# Altium PCB u-cont.PcbDoc (continued)
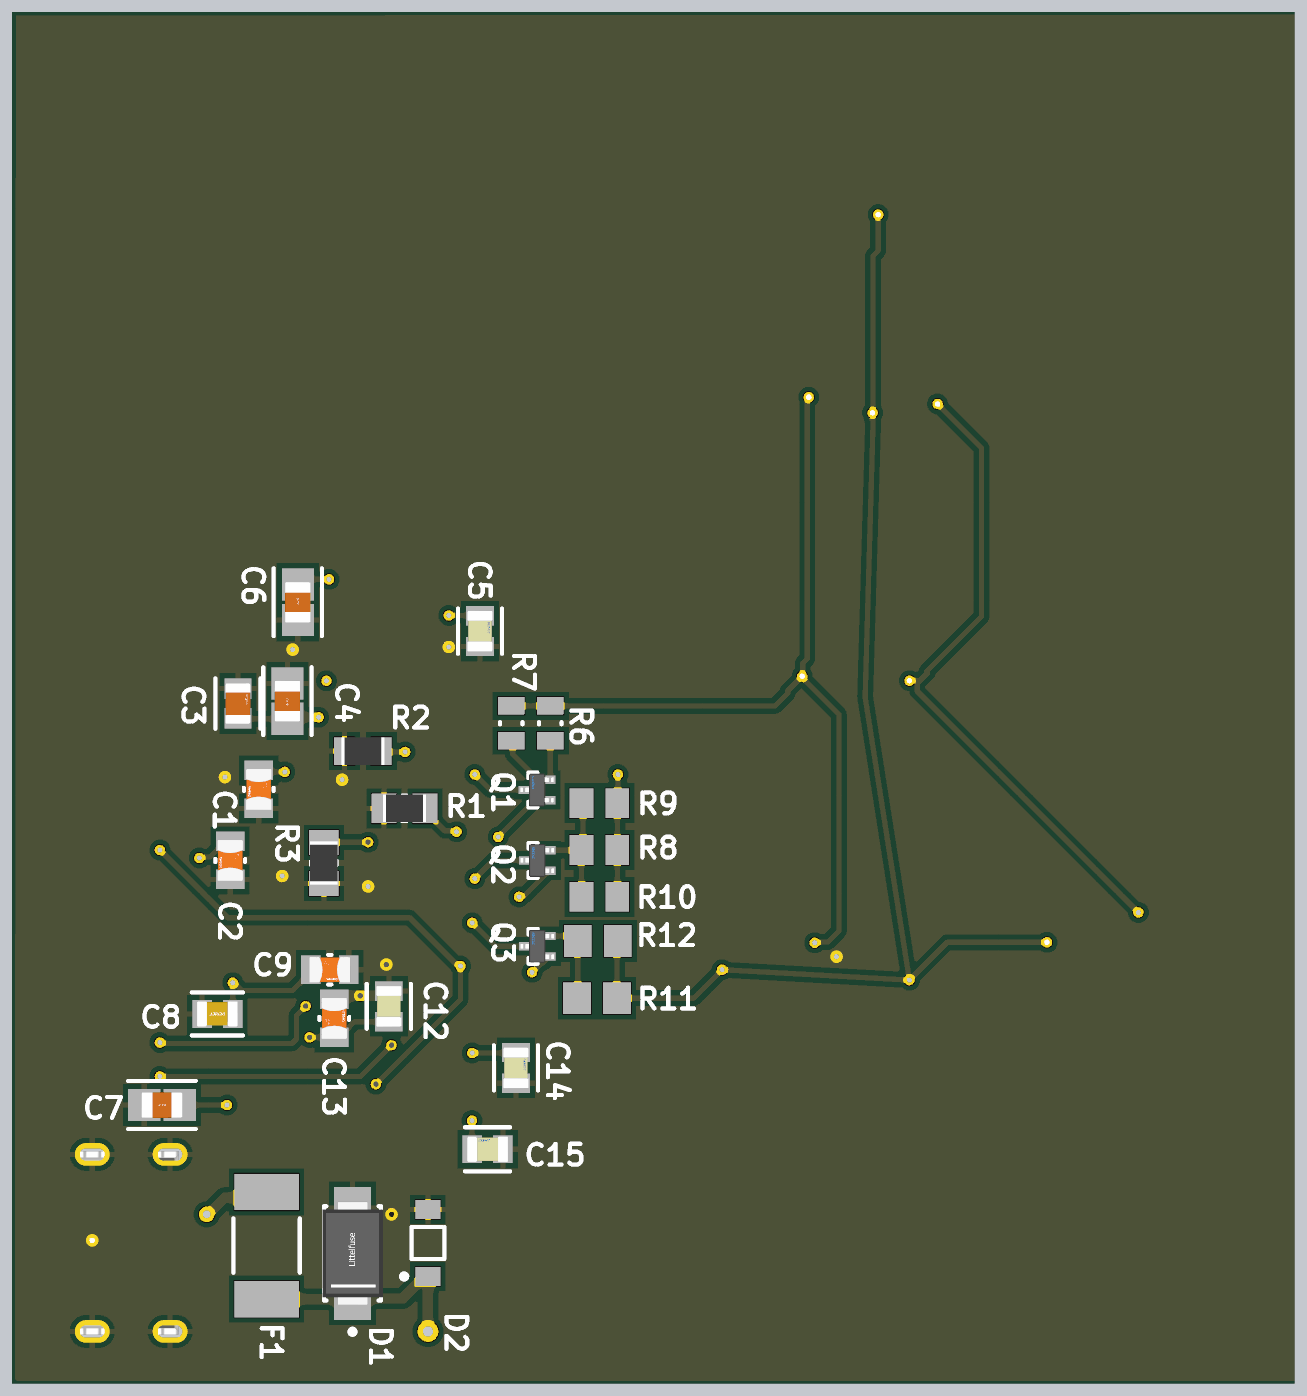
[diagram p5: 3D render of the assembled board from below, using the file's embedded part models]

## Layer stack, top to bottom
Top Solder: solder mask 1, SM-001, Dk 4
Top Layer: signal copper 1.378
Dielectric 1: prepreg 5.1, PP-017, Dk 4.3
Dielectric 2: prepreg 5.1, PP-017, Dk 4.3
Int1 (GND): plane copper 1.378, net GND
Dielectric 3: core 28, Core-039, Dk 4.8
Int2 (PWR): plane copper 1.378, net 5V USB
Dielectric 4: prepreg 5.1, PP-017, Dk 4.3
Dielectric 5: prepreg 5.1, PP-017, Dk 4.3
Bottom Layer: signal copper 1.378
Bottom Solder: solder mask 1, SM-001, Dk 4

## Board outline
4520,1025 4520,3650 6975,3650 6975,1025

## Design rules (kind name [scope] priority, off if disabled: settings)
Clearance [All] p1: gap=10 ignorepadtopadclearanceinfootprint=FALSE except(0: Arc-Hole Track-Hole SMDPad-Hole THPad-Hole Via-Hole Fill-Hole Poly-Hole Region-Hole Text-Hole; 3.5: Arc-Arc Arc-Track Track-Track; 5: SMDPad-SMDPad; 20: Via-Via)
HoleToHoleClearance [All] p1: gap=20 allowstackedmicrovias=TRUE
MinimumSolderMaskSliver [All] p1: minsoldermaskwidth=5
PlaneClearance [All] p1: clearance=20
PlaneConnect [All] p1: pad.planeconnectstyle=Relief pad.reliefexpansion=20 pad.reliefentries=4 pad.reliefconductorwidth=10 pad.reliefairgap=10 via.planeconnectstyle=Direct via.reliefexpansion=20 via.reliefentries=4 via.reliefconductorwidth=10 via.reliefairgap=10
PolygonConnect [All] p1: thpad.connectstyle=Relief thpad.reliefconductorwidth=10 thpad.reliefentries=4 thpad.polygonreliefangle="90 Angle" thpad.airgapwidth=10 smdpad.connectstyle=Relief smdpad.reliefconductorwidth=10 smdpad.reliefentries=4 smdpad.polygonreliefangle="90 Angle" smdpad.airgapwidth=10 via.connectstyle=Direct via.reliefconductorwidth=10 via.reliefentries=4 via.polygonreliefangle="90 Angle" via.airgapwidth=10
RoutingVias [All] p1: holewidth=10 width=20 viastyle="Through Hole" minholewidth=10 minwidth=20 maxholewidth=28 maxwidth=50
SilkToSolderMaskClearance [IsPad] p1: minsilkscreentomaskgap=2 clearancetoexposedcopper=FALSE
SolderMaskExpansion [All] p1: expansion=2 istentingtop=FALSE
Width [All] p1: maxlimit=30 minlimit=10 preferedwidth=10 minimp=50.000000 maximp=50.000000 favimp=50.000000
25 further rules are at their usual default settings.

## Components (designator, comment, footprint, x,y, rotation, side; value= is the part's Value field where it differs from the comment)
C1 "CC0805KRX7R8BB104" FP-CC0805-0_85-MFG 6560,2025 r270 bottom value="100 nF"
C2 "CC0805KRX7R8BB104" FP-CC0805-0_85-MFG 6505,2161.42 r270 bottom value="100 nF"
C3 "GRM21BR61E106KA73L" FP-GRM21B-0_15-IPC_C 6545,2326.41 r90 bottom
C4 "C2012X5R1E105K125AA" FP-C2012-125-0_2-IPC_A 6450,2330.98 r90 bottom
C5 "C0805C103J5RACTU" FP-C0805C-DN-MFG 6080,2465.47 r270 bottom value="10,000 pF"
C6 "C2012X5R1E105K125AA" FP-C2012-125-0_2-IPC_A 6430,2520.98 r270 bottom
C7 "C2012X5R1E105K125AA" FP-C2012-125-0_2-IPC_A 6690.98,1555 r0 bottom
C8 "C0805C476M9PACTU" FP-C0805C476M9PACTU-MFG 6584.53,1730 r0 bottom
C9 "CC0805KRX7R8BB104" FP-CC0805-0_85-MFG 6368.58,1815 r180 bottom value="100 nF"
C10 "C0805C103J5RACTU" FP-C0805C-DN-MFG 6555,1910 r90 top value="10,000 pF"
C11 "C0805C102K5RACTU" FP-C0805C-DN-MFG 6390.47,1905 r0 top value="1,000 pF"
C12 "C0805C106K8PACTU" FP-C0805C-DG-MFG 6255,1744.53 r270 bottom value=10uF
C13 "CC0805KRX7R8BB104" FP-CC0805-0_85-MFG 6360,1721.42 r90 bottom value="100 nF"
C14 "C0805C110J5GACTU" FP-C0805C-DN-MFG 6010.94,1626.42 r270 bottom value="11 pF"
C15 "C0805C110J5GACTU" FP-C0805C-DN-MFG 6065.47,1470 r180 bottom value="11 pF"
D1 "SMAJ6.0A" FP-SMAJ-MFG 6325,1270 r90 bottom
D2 "MMSZ5233BT1G" ONSC-SOD-123-2-425-04_V 6180,1290 r90 bottom
D3 "150060GS75000" FP-150060GS75000-MFG 5115,2390 r9 top
D4 "150060GS75000" FP-150060GS75000-MFG 5465.8,2378.2 r202 top
D5 "150060GS75000" FP-150060GS75000-MFG 5514.58,1838.15 r165 top
D6 "150060GS75000" FP-150060GS75000-MFG 5451.29,2920.6 r291 top
D7 "150060GS75000" FP-150060GS75000-MFG 5106.69,1833.81 r334.5 top
D8 "150060GS75000" FP-150060GS75000-MFG 5251.01,2372.31 r339 top
D9 "150060GS75000" FP-150060GS75000-MFG 5593.81,2399.38 r174 top
D10 "150060GS75000" FP-150060GS75000-MFG 5199.25,2907.72 r240 top
D11 "150060GS75000" FP-150060GS75000-MFG 4870,1880 r155 top
D12 "150060GS75000" FP-150060GS75000-MFG 5813.07,1875.8 r235 top
D13 "150060GS75000" FP-150060GS75000-MFG 5315,3261.5 r90 top
D14 "150060GS75000" FP-150060GS75000-MFG 5330,2885 r180 top
D15 "150060GS75000" FP-150060GS75000-MFG 5325,1820 r198 top
D16 "150060GS75000" FP-150060GS75000-MFG 4986.38,1867.75 r5 top
D17 "150060GS75000" FP-150060GS75000-MFG 5698.98,1819.53 r190 top
F1 "1812L075/24DR" LFUS-1812L07524DR_V 6490,1285 r270 bottom
J1 "USB4125-GF-A-0190" FP-USB4125-GF-A-0190-MFG 6793.5,1290.08 r90 top
P1 "TSM-105-01-L-SV" SMTC-TSM-105-01-X-SV 6802.48,1845 r270 top
Q1 "DMG1012TQ-7" FP-SOT523-MFG 5970.39,2160.32 r0 bottom
Q2 "DMG1012TQ-7" FP-SOT523-MFG 5970,2025 r0 bottom
Q3 "DMG1012TQ-7" FP-SOT523-MFG 5970,1860 r0 bottom
R1 "RC0805JR-070RL" RESC2013X60X35ML10T20 6225,2125 r180 bottom
R2 "RC0805FR-0710KL" RESC2013X60X35NL10T20 6305,2235 r180 bottom
R3 "RC0805JR-070RL" RESC2013X60X35ML10T20 6380,2020 r90 bottom
R4 "RC0805FR-0710KL" RESC2013X60X35NL10T20 6625,1780 r270 top value=10kR
R5 "RC0805FR-071KL" RESC2013X60X35ML10T20 6459.37,1490 r180 top
R6 "36R 1% 0805(2012)" RESC0805(2012)_L 5945,2288.46 r270 bottom value=36R
R7 "36R 1% 0805(2012)" RESC0805(2012)_L 6020,2288.46 r270 bottom value=36R
R8 "ERJ-6GEYJ910V" RESC2013X70X40NL20T20 5850.55,2045 r0 bottom
R9 "ERJ-6GEYJ910V" RESC2013X70X40NL20T20 5850.55,2135 r0 bottom
R10 "ERJ-6GEYJ910V" RESC2013X70X40NL20T20 5850.55,1955 r0 bottom
R11 "ERJ-6ENF20R0V" RESC2013X70X40ML20T20 5855.29,1760.34 r0 bottom
R12 "ERJ-6ENF20R0V" RESC2013X70X40ML20T20 5853.68,1870.34 r0 bottom
SW1 "" FP-PTS645SM43SMTR92LFS-MFG 6345,1285 r0 top
U1 "TPS2115PW" PW0008A_N 6340,2075 r0 top
U2 "REG104FA-3.3/500" KTT0005A_N 6499.65,2435 r0 top
U3 "PIC32MM0016GPL020-I/SS" SOP65P780X200-20N 6333,1702 r0 top
Y1 "ABS06-32.768KHZ-1-T" FP-ABS06-MFG 6095,1588.54 r90 top

## Footprints (in the part's own frame and the unit in brackets; to place one, negate y for a bottom-side part, rotate by r counter-clockwise, add the part's x,y. Pads: shape width x height; smd on the part's side, far side on the other; paste and mask are expansions set on the pad)
FP-150060GS75000-MFG [mm]
  rect 0.8x0.8 smd paste+0 mask+0: 1(-0.8,0) 2(0.8,0)
  body extent -1.3,-0.55 1.3,0.55, height 0.25
FP-ABS06-MFG [mm]
  rect 0.75x1.4 smd paste+0 mask+0: 1(-0.725,0) 2(0.725,0)
  silkscreen extent -1.07,-1.07 1.07,1.07, body extent -1.2,-0.8 1.2,0.8, height 0.25
FP-C0805C476M9PACTU-MFG [mm]
  rect 0.95x1.35 smd paste+0 mask+0: 1(-0.75,0) 2(0.75,0)
  silkscreen extent -1.25,-1.05 1.25,1.05, body extent -1,-0.63 1,0.63, height 1.45
FP-C0805C-DG-MFG [mm]
  rect 0.95x1.35 smd paste+0 mask+0: 1(-0.75,0) 2(0.75,0)
  silkscreen extent -1.11,-1.08 1.1,1.07, body extent -1,-0.63 1,0.63, height 1.4
FP-C0805C-DN-MFG [mm]
  rect 0.95x1.35 smd paste+0 mask+0: 1(-0.75,0) 2(0.75,0)
  silkscreen extent -1.1,-1.07 1.1,1.07, body extent -1,-0.63 1,0.63, height 0.88
FP-C2012-125-0_2-IPC_A [mil]
  rect 62.13x61.27 smd paste+0 mask+0: 1(-34.02,0) 2(34.02,0)
  silkscreen extent -65,-46 65,46, body extent -39,-25 39,25, height 57
FP-CC0805-0_85-MFG [mm]
  rect 0.95x1.4 smd paste+0 mask+0: 1(-0.925,0) 2(0.925,0)
  silkscreen extent -0.07,-0.73 0.07,0.73, body extent -1,-0.63 1,0.63, height 0.95
FP-GRM21B-0_15-IPC_C [mil]
  rect 39.6x51.5 smd paste+0 mask+0: 1(-28.59,0) 2(28.59,0)
  silkscreen extent -48,-43 48,43, body extent -39,-25 39,25, height 55
FP-PTS645SM43SMTR92LFS-MFG [mm]
  rect 1.55x1.3 smd paste+0 mask+0: 1(-3.975,2.25) 2(3.975,2.25) 3(-3.975,-2.25) 4(3.975,-2.25)
  silkscreen extent -5.52,-3 3,3, body extent -4.85,-3.1 4.85,3.1, height 0.25
FP-SMAJ-MFG [mm]
  rect 2.1x1.8 smd paste+0 mask+0: 1(-2.2,0) 2(2.2,0)
  silkscreen extent -3.95,-1.4 2.3,1.4, body extent -2.52,-1.49 2.52,1.47, height 2.29
FP-SOT523-MFG [mm]
  rect 0.51x0.4 smd paste+0 mask+0: 1(-0.645,0.5) 2(-0.645,-0.5) 3(0.645,0)
  silkscreen extent -0.01,-0.85 0.42,0.85, body extent -0.81,-0.8 0.81,0.8, height 0.9
FP-USB4125-GF-A-0190-MFG [mm]
  rrect100% 1.1x1.7 hole 1.2 slot 0.6 at 0 deg paste-1000 mask+0: 1(-4.32,3) 2(4.32,3) 3(-4.32,-0.8) 4(4.32,-0.8)
  rect 0.7x1.2 smd paste+0 mask+0: A5(-0.5,3) B5(0.5,3)
  rect 0.76x1.2 smd paste+0 mask+0: A9(1.52,3) B9(-1.52,3)
  rect 0.8x1.2 smd paste+0 mask+0: A12(2.75,3) B12(-2.75,3)
  silkscreen extent -4.59,0.42 4.59,4.37, body extent -4.97,-3.57 4.97,3.95, height 0.25
KTT0005A_N [mm] "DPAK, 5-Leads, Body 10.65x9.65mm, Pitch 1.7mm, IPC Medium Density"
  rrect10% 4.15x1 smd: 1(-6.25,3.4) 2(-6.25,1.7) 3(-6.25,0) 4(-6.25,-1.7) 5(-6.25,-3.4)
  rrect1% 8.2x10.75 smd: 6(4.2,0)
  silkscreen extent -6.37,-5.35 -0.3,5.35, body extent -3.15,-5.32 6.5,5.33, height 4.83
LFUS-1812L07524DR_V [mm] "SMD, 2-Leads, Body 4.55x3.24mm"
  rect 1.78x3.15 smd: 1(-2.615,0) 2(2.615,0)
  silkscreen extent -1.32,-1.62 1.32,1.62, body extent -2.27,-1.62 2.27,1.62, height 1.55
ONSC-SOD-123-2-425-04_V [mm] "SOD, 2-Leads, Body 2.69x1.6mm"
  rect 0.91x1.22 smd: 1(-1.635,0) 2(1.635,0)
  silkscreen extent -1.76,-0.8 0.78,1.29, body extent -1.35,-0.8 1.35,0.8, height 1.35
PW0008A_N [mm] "SOP, 8-Leads, Body 4.5x3.1mm, Pitch 0.65mm, IPC Medium Density"
  rrect22% 1.4x0.45 smd: 1(-2.95,0.975) 2(-2.95,0.325) 3(-2.95,-0.325) 4(-2.95,-0.975) 5(2.95,-0.975) 6(2.95,-0.325) 7(2.95,0.325) 8(2.95,0.975)
  silkscreen extent -3.07,-1.55 1.85,1.87, body extent -3.23,-1.5 3.23,1.5, height 1.2
RESC0805(2012)_L [mm] "Chip Resistor, Body 2.0x1.3mm, IPC High Density"
  rect 0.85x1.3 smd: 1(-0.85,0) 2(0.85,0)
  silkscreen extent -0.05,-0.55 0.05,0.55, body extent -1.1,-0.67 1.1,0.68, height 0.7
RESC2013X60X35ML10T20 [mm] "Chip Resistor, 2-Leads, Body 2.1x1.35mm, IPC Low Density"
  rect 1.2x1.45 smd: 1(-1,0) 2(1,0)
  silkscreen extent -0.1,-0.62 0.1,0.62, body extent -1.05,-0.68 1.05,0.67, height 0.6
RESC2013X60X35NL10T20 [mm] "Chip Resistor, 2-Leads, Body 2.1x1.35mm, IPC Medium Density"
  rect 1x1.35 smd: 1(-0.9,0) 2(0.9,0)
  silkscreen extent -0.1,-0.58 0.1,0.58, body extent -1.05,-0.68 1.05,0.67, height 0.6
RESC2013X70X40ML20T20 [mm] "Chip Resistor, 2-Leads, Body 2.00x1.25mm, IPC Low Density"
  rect 1.35x1.55 smd: 1(-0.975,0) 2(0.975,0)
  body extent -1.1,-0.72 1.1,0.72, height 0.7
RESC2013X70X40NL20T20 [mm] "Chip Resistor, 2-Leads, Body 2.00x1.25mm, IPC Medium Density"
  rect 1.15x1.45 smd: 1(-0.875,0) 2(0.875,0)
  body extent -1.1,-0.72 1.1,0.72, height 0.7
SMTC-TSM-105-01-X-SV [mm] "Single Row SMT Assembly, 5 Pins, Vertical, 2.54mm Pitch, Male"
  rect 1.27x3.43 smd: 1(-5.08,1.46) 2(-2.54,-1.46) 3(0,1.46) 4(2.54,-1.46) 5(5.08,1.46)
  silkscreen extent -7.11,-1.27 6.35,1.4, body extent -6.35,-2.45 6.35,2.45, height 9.65
SOP65P780X200-20N [mil]
  oval 65x17 smd mask+2: 1(-143,115)
  rect 65x17 smd mask+2: 2(-143,90) 3(-143,64) 4(-143,38) 5(-143,13) 6(-143,-13) 7(-143,-38) 8(-143,-64) 9(-143,-90) 10(-143,-115) 11(143,-115) 12(143,-90) 13(143,-64) 14(143,-38) 15(143,-13) 16(143,13) 17(143,38) 18(143,64) 19(143,90) 20(143,115)
  silkscreen extent -190,-148 110,150, body extent -154,-142 154,142, height 79

## Part data
C1 C2 C9 C13: library part CMP-1036-04410-2, "CAP CER 0.1UF 25V X7R 0805", Capacitance="100 nF", Manufacturer=Yageo, Package=CC0805-0.85, Temperature="-30°C to +85°C", Temperature Characteristic=X7R, Temperature Range High=+85°C, Temperature Range Low=-30°C, Tolerance=0.1, Voltage Rating="25 V", Automotive=No, Category=Cap, ComponentLink2Description=Datasheet, ComponentLink2URL=http://www.yageo.com/documents/recent/UPY-GPHC_Y5V_6.3V-to-50V_8.pdf, Device Class L1="Passive Components", Device Class L2=Capacitors, Device Class L3="Ceramic Capacitors", Digikey Description="CAP CER 0.1UF 25V X7R 0805", Footprint Url=http://www.yageo.com/exep/pages/download/literatures/UPY-C_GEN_24.pdf, Height=0.95mm, Ipc Land Pattern Name=CAPC200125X85, Lead Free=Yes, Manufacturer Part Number=CC0805KRX7R8BB104, Material=Ceramic, Mouser Description="Multilayer Ceramic Capacitors MLCC - SMD/SMT 100nF 25V X7R 10%", Octopart=https://octopart.com/cc0805krx7r8bb104-yageo-39467766, RoHS=TRUE
C3: library part CMP-2007-03541-2, "Chip Multilayer Ceramic Capacitors for General Purpose, 0805, 10uF, X5R, 15%, 10%, 25V", Capacitance=10uF, Case Code (Imperial)=0805, Case Code (Metric)=2012, Dielectric=X5R, Max Operating Temperature=85°C, Min Operating Temperature=-55°C, Package Quantity=1, Tolerance=10%, Voltage=25V, Case/Package=0805, Depth=1.25mm, Height=1.25mm, Lead Free="Lead Free", Length=2mm, Material=Ceramic, Mount="Surface Mount", Packaging="Tape and Reel", Radiation Hardening=No, Termination=SMD/SMT, Thickness=0.053inch, Voltage Rating=25V, Voltage Rating (DC)=25V, Width=0.049inch
C4 C6 C7: library part CMP-08246-005389-1, "Multilayer Ceramic Capacitors 1μF ±10% 25V X5R SMD 0805", Capacitance=1uF, Case Code (Imperial)=0805, Case Code (Metric)=2012, Dielectric=X5R, Dielectric Material=Ceramic, Max Operating Temperature=85°C, Min Operating Temperature=-55°C, Package Quantity=2000, Tolerance=10%, Voltage=25V, Case/Package=0805, Construction=Flat, Depth=1.25mm, Height=1.25mm, Lead Free="Lead Free", Length=2mm, Mount="Surface Mount", Number of Pins=2, Packaging="Tape and Reel", Radiation Hardening=No, REACH SVHC="No SVHC", Resistor Type=Ceramic, RoHS Compliant=Yes, Series=C, Termination=SMD/SMT, Thickness=0.057inch, Voltage Rating=25V, Voltage Rating (DC)=25V, Weight=0.000194oz, Width=0.049inch
C5 C10: library part CMP-2007-00254-2, "CAP CER 10000PF 50V X7R 0805", Capacitance="10,000 pF", Manufacturer=KEMET, Package=C0805C-DN, Temperature="-55°C to +125°C", Temperature Characteristic=X7R, Temperature Coefficient=30ppm/°C, Temperature Range High=+125°C, Temperature Range Low=-55°C, Tolerance=0.05, Voltage Rating="50 V", Automotive=No, Category=Cap, ComponentLink2Description=Datasheet, ComponentLink2URL=https://content.kemet.com/datasheets/KEM_C1003_C0G_SMD.pdf, Device Class L1="Passive Components", Device Class L2=Capacitors, Device Class L3="Ceramic Capacitors", Digikey Description="CAP CER 10000PF 50V X7R 0805", Height=0.88mm, Ipc Land Pattern Name=CAPC200125X78, Lead Free=Yes, Manufacturer Part Number=C0805C103J5RACTU, Material=Ceramic, Mouser Description="Capacitor; Ceramic; Cap 0.01uF; Tol 5%; Vol-Rtg 50 V; SMT; Case 0805; X7R; TR", Octopart=https://octopart.com/c0805c103j5ractu-kemet-133473, RoHS=TRUE
C8: library part CMP-2007-01008-2, "CAP CER 47UF 6.3V X5R 0805", Capacitance=47uF, Case Code (Imperial)=0805, Case Code (Metric)=2012, Dielectric=X5R, Dielectric Material=Ceramic, Max Operating Temperature=85°C, Min Operating Temperature=-55°C, Package Quantity=3000, Tolerance=20%, Voltage=6.3V, Case/Package=0805, Construction=Flat, Depth=1.25mm, Dissipation Factor=5%, Height=1.25mm, Length=2mm, Mount=PCB, Number of Pins=2, Packaging="Tape and Reel", Radiation Hardening=No, REACH SVHC="No SVHC", RoHS Compliant=Yes, Series=C0805C, Termination=SMD/SMT, Voltage Rating=6.3V, Voltage Rating (DC)=6.3V, Width=1.2mm
C11: library part CMP-2007-01097-2, "CAP CER 1000PF 50V X7R 0805", Capacitance="1,000 pF", Manufacturer=KEMET, Package=C0805C-DN, Temperature="-55°C to +125°C", Temperature Characteristic=X7R, Temperature Coefficient=30ppm/°C, Temperature Range High=+125°C, Temperature Range Low=-55°C, Tolerance=0.1, Voltage Rating="50 V", Automotive=No, Category=Cap, ComponentLink2Description=Datasheet, ComponentLink2URL=https://content.kemet.com/datasheets/KEM_C1003_C0G_SMD.pdf, Device Class L1="Passive Components", Device Class L2=Capacitors, Device Class L3="Ceramic Capacitors", Digikey Description="CAP CER 1000PF 50V X7R 0805", Height=0.88mm, Ipc Land Pattern Name=CAPC200125X78, Lead Free=Yes, Manufacturer Part Number=C0805C102K5RACTU, Material=Ceramic, Mouser Description="Cap Ceramic 0.001uF 50V X7R 10% SMD 0805 125C Plastic T/R", Octopart=https://octopart.com/c0805c102k5ractu-kemet-93010, RoHS=TRUE
C12: library part CMP-2007-03243-2, "CAP CER 10UF 10V X5R 0805", 3DS Part Number=220-00001, Capacitance=10uF, Manufacturer=Kemet, Package=C0805C-DG, Temperature="-55°C to +85°C", Temperature Characteristic=X5R, Temperature Coefficient=15%, Temperature Range High=+85°C, Temperature Range Low=-55°C, Tolerance=10%, Voltage=10V, Automotive=No, Category=Cap, ComponentLink2Description=Datasheet, ComponentLink2URL=https://content.kemet.com/datasheets/KEM_C1006_X5R_SMD.pdf, Device Class L1="Passive Components", Device Class L2=Capacitors, Device Class L3="Ceramic Capacitors", Digikey Description="CAP CER 10UF 10V X5R 0805", Height=1.4mm, Ipc Land Pattern Name=CAPC200125X125, Lead Free=Yes, Manufacturer Part Number=C0805C106K8PACTU, Material=Ceramic, Mouser Description="CAP CER 10UF 10V X5R 0805", Octopart=https://octopart.com/c0805c106k8pactu-kemet-98697, RoHS=TRUE, Voltage Rating=10V
C14 C15: library part CMP-1036-00907-3, "CAP CER 11PF 50V 5% NP0 0805", Capacitance="11 pF", Manufacturer=KEMET, Package=C0805C-DN, Temperature="-55°C to +125°C", Temperature Characteristic=C0G, Temperature Coefficient=30ppm/°C, Temperature Range High=+125°C, Temperature Range Low=-55°C, Tolerance=0.05, Voltage Rating="50 V", Automotive=No, Category=Cap, ComponentLink2Description=Datasheet, ComponentLink2URL=https://content.kemet.com/datasheets/KEM_C1003_C0G_SMD.pdf, Device Class L1="Passive Components", Device Class L2=Capacitors, Device Class L3="Ceramic Capacitors", Digikey Description="CAP CER 11PF 50V 5% NP0 0805", Height=0.88mm, Ipc Land Pattern Name=CAPC200125X78, Lead Free=Yes, Manufacturer Part Number=C0805C110J5GACTU, Material=Ceramic, Mouser Description="Multilayer Ceramic Capacitors MLCC - SMD/SMT 50volts 11pF C0G 5%", Octopart=https://octopart.com/c0805c110j5gactu-kemet-15514269, RoHS=TRUE
D1: library part CMP-08607-000083-1, "TVS DIODE 6V 10.3V DO214AC", Breakdown Voltage=6.67V, Clamping Voltage=10.3V, Manufacturer=Littelfuse, Max Junction Temp=+150°C, Package=SMAJ, Peak Pulse Current=38.8A, Peak Pulse Power=400W, Reverse Standoff Voltage=6V, Temperature="-65°C to +150°C", Temperature Range Low=-65°C, Automotive=No, Category=Diode, ComponentLink2Description=Datasheet, ComponentLink2URL=https://www.littelfuse.com/~/media/electronics/datasheets/tvs_diodes/littelfuse_tvs_diode_smaj_datasheet.pdf.pdf, Device Class L1="Circuit Protection", Device Class L2="TVS Diodes", Device Class L3=unset, Digikey Description="TVS DIODE 6V 10.3V DO214AC", Direction=Unidirectional, Height=2.29mm, Lead Free=Yes, Manufacturer Part Number=SMAJ6.0A, Mouser Description="TVS Diodes - Transient Voltage Suppressors 60Vr 400W 4.1A 5% UniDirectional", Number Of Channels=1, Octopart=https://octopart.com/smaj6.0a-littelfuse-350212, RoHS=TRUE, Temperature Range High=+150°C
D2: library part CMP-1060-00590-1, "Zener Voltage Regulator, 500 mW, 2-Pin SOD-123, Pb-Free, Tape and Reel", Manufacturer="On Semiconductor", ComponentLink1Description="Manufacturer URL", ComponentLink1URL=http://www.onsemi.com/, ComponentLink2Description=Datasheet, ComponentLink2URL=http://www.onsemi.com/pub_link/Collateral/MMSZ5221BT1-D.PDF, ComponentLink3Description="Package Specification", ComponentLink3URL=http://www.onsemi.com/pub_link/Collateral/425-04.PDF, DatasheetVersion="Rev. 12", Mounting Technology="Surface Mount", P Max (W)=0.5, PackageDescription="2-Pin SOD, Body 1.6 x 2.69 mm", PackageReference=SOD-123-2-425-04, PackageVersion="Rev. G, 10/2009", Packing="Tape and Reel", PartNumber=MMSZ5233BT1G, RoHS=Pb-Free, VZ Typ (V)=6.0
D3 D4 D5 D6 D7 D8 D9 D10 D11 D12 D13 D14 D15 D16 D17: library part CMP-007-00036-1, "Led, Green, 520 Nm, 3.2 V, 30 Ma, 430 Mcd Rohs Compliant: Yes"
F1: library part CMP-2000-05510-1, "Poly-Fuse(R) Resettable PTC, 24 V, 100 A, -40 to 85 degC, 2-Pin SMD, RoHS, Tape and Reel", Current Rating=100A, Hold Current=0.75A, Manufacturer=Littelfuse, Maximum Voltage=24VDC, Maximum Voltage DC=24V, Operating Temperature Range=-40Cto+85C, Package / Case=1812(4532metric), Package Description="2-Pin Surface Mount Device, Body 4.55 x 3.24 mm", Package Reference=1812L07524DR, Resistance=290mOhms, Trip Current=1.5A, Brand=Littelfuse, Current Rating (Max)=100A, Current Rating - Max=100A, Datasheet URL=http://www.littelfuse.com/~/media/electronics/datasheets/resettable_ptcs/littelfuse_ptc_1812l_datasheet.pdf.pdf, Datasheet Version=02/2016, Dimensions=4.37mmLx3.07mmWx0.75mmH, Factory Pack Quantity=1500, Manufacturer URL=http://www.littelfuse.com/, Mounting Style=SMD/SMT, Mounting Technology=SurfaceMount, Packaging=Reel, Product Category=ResettableFuses-PPTC, RoHS=Details, Series=1812L, Termination Style=SMD/SMT, Type=PolyFuseResettablePTC
J1: library part CMP-245163-000004-1, "CONN RCPT TYPE C 6P SMD RA"
P1: library part CMP-1024-00241-1, "0.025\" SQ Post Header, Surface Mount, Vertical, -55 to 125 degC, 2.54 mm Pitch, 5-Pin, Male, RoHS", Manufacturer=Samtec, Temperature Range="-55 to 125 degC", ComponentLink1Description="Manufacturer URL", ComponentLink1URL=http://www.samtec.com, ComponentLink2Description=Datasheet, ComponentLink2URL=http://www.samtec.com/documents/webfiles/pdf/TSM.PDF, ComponentLink3Description="Package Specification", ComponentLink3URL=http://www.samtec.com/documents/webfiles/cpdf/TSM-1XX-XX-XXX-SV-XX-XXX-XX-MKT.pdf, DatasheetVersion=F-214, Mounting Technology="Surface Mount", Orientation=Vertical, PackageDescription="Single Row .100 SMT Assembly", PackageReference=TSM-105-01-X-SV, PackageVersion="BP, 8/2002", PartNumber=TSM-105-01-L-SV, Pitch="2.54 mm", RoHS=True
Q1 Q2 Q3: library part CMP-12801-000068-1, "MOSFET NCH 20V 630MA SOT523", Continuous Drain Current=0.63A, Drain To Source Breakdown Voltage=20V, Drain To Source Resistance=0.3Ω, Gate To Source Voltage=6V, Input Capacitace At Vds="60.67pF @ 16V", Manufacturer="Diodes Inc.", Max Forward Diode Voltage=1.2V, Max Junction Temp=+150°C, Package=SOT523, Power Dissipation=0.28W, Pulse Drain Current=3A, Temperature="-55°C to +150°C", Temperature Range Low=-55°C, Typ Forward Diode Voltage=0.7V, Automotive=Yes, Automotive Grade="Grade 0", Category=Trans, ComponentLink2Description=Datasheet, ComponentLink2URL=https://www.diodes.com/assets/Datasheets/ds31783.pdf, Depletion Mode=False, Device Class L1="Discrete Semiconductors", Device Class L2=Transistors, Device Class L3=MOSFETs, Digikey Description="MOSFET NCH 20V 630MA SOT523", Drain To Source Voltage=20V, Footprint Url=https://www.diodes.com/assets/Package-Files/SOT523.pdf, Gate Charge At Vgs="736.6pC @ 4.5V", Height=0.9mm, Lead Free=Yes, Manufacturer Part Number=DMG1012TQ-7, Mouser Description="Trans MOSFET N-CH 20V 0.63A Automotive 3-Pin SOT-523 T/R", Number Of Channels=1, Number Of N Channels=1, Octopart=https://octopart.com/dmg1012tq-7-diodes+inc.-74468997, RoHS=TRUE, Rthja Max=452°C/W, Standoff Height=0mm, Temperature Range High=+150°C, Threshold Vgs Max=1V, Threshold Vgs Min=0.5V, Turn Off Delay Time=26.7ns, Turn On Delay Time=5.1ns
R1 R3: library part CMP-2100-03673-1, "Chip Resistor, 0 Ohm, Jumper, +/- 5%, 0.125 W, -55 to 155 degC, 0805 (2012 Metric), RoHS, Tape and Reel", Case Code (Imperial)=0805, Case Code (Metric)=2012, Manufacturer=Yageo, Max Operating Temperature=155degC, Min Operating Temperature=-55degC, Package Description="2-Pin Surface Mounted Device, Body 2 x 1.25 mm", Power Rating=125mW, Resistance=0R, Temperature Coefficient=200ppm/degreesC, Tolerance=5%, Voltage Rating=150V, Case/Package=0805, Composition=ThickFilm, Contact Plating=Tin, Datasheet URL=http://www.yageo.com/NewPortal/yageodocoutput?fileName=/pdf/R-Chip/PYu-RC_Group_51_RoHS_L_5.pdf, Datasheet Version="Rev. 5, 10/2016", Depth=1.25mm, Height=0.5mm, Lead Free=LeadFree, Length=2mm, Manufacturer URL=http://www.yageo.com/, Military Standard=Not, Number of Pins=2, Package Reference=0805, Packaging=TapeandReel, Radiation Hardening=No, REACH SVHC=Unknown, RoHSCompliant=true, Termination=SMD/SMT, Voltage Rating (DC)=150V, Width=1.25mm
R2: library part CMP-1659-00013-4, "Chip Resistor, 10 KOhm, +/- 1%, 0.125 W, -55 to 155 degC, 0805 (2012 Metric), RoHS, Tape and Reel", Manufacturer=Yageo, Max Operating Temperature="155 degC", Min Operating Temperature="-55 degC", Package Quantity=5000, Resistance=10kR, Voltage Rating="150 V", ComponentLink1Description="Manufacturer URL", ComponentLink1URL=http://www.yageo.com/, ComponentLink2Description=Datasheet, ComponentLink2URL=http://www.yageo.com/documents/recent/PYu-RC_Group_51_RoHS_L_04.pdf, DatasheetVersion="Rev. 4, 02/2016", Height="0.5 mm", Length="2 mm", Mount="Surface Mount", Mounting Technology="Surface Mount", PackageDescription="2-Pin Surface Mounted Device, Body 2 x 1.25 mm", PackageReference=0805, Packaging="Tape and Reel", Pins=2, REACH SVHC="No SVHC", RoHSCompliant=true
R4: library part CMP-1659-00013-4, "Chip Resistor, 10 KOhm, +/- 1%, 0.125 W, -55 to 155 degC, 0805 (2012 Metric), RoHS, Tape and Reel", Manufacturer=Yageo, Max Operating Temperature="155 degC", Min Operating Temperature="-55 degC", Package Quantity=5000, Voltage Rating="150 V", ComponentLink1Description="Manufacturer URL", ComponentLink1URL=http://www.yageo.com/, ComponentLink2Description=Datasheet, ComponentLink2URL=http://www.yageo.com/documents/recent/PYu-RC_Group_51_RoHS_L_04.pdf, DatasheetVersion="Rev. 4, 02/2016", Height="0.5 mm", Length="2 mm", Mount="Surface Mount", Mounting Technology="Surface Mount", PackageDescription="2-Pin Surface Mounted Device, Body 2 x 1.25 mm", PackageReference=0805, Packaging="Tape and Reel", Pins=2, REACH SVHC="No SVHC", RoHSCompliant=true
R5: library part CMP-2100-03671-1, "Chip Resistor, 1 KOhm, +/- 1%, 125 mW, -55 to 155 degC, 0805 (2012 Metric), RoHS, Tape and Reel", Case Code (Imperial)=0805, Case Code (Metric)=2012, Manufacturer=Yageo, Max Operating Temperature=155degC, Max Power Dissipation=125mW, Min Operating Temperature=-55degC, Package Description="2-Pin Surface Mounted Device, Body 2 x 1.25 mm", Package Quantity=1, Resistance=1kR, Temperature Coefficient=100ppm/degreesC, Tolerance=1%, Voltage Rating=150V, Case/Package=0805, Composition=ThickFilm, Datasheet URL=http://www.yageo.com/NewPortal/yageodocoutput?fileName=/pdf/R-Chip/PYu-RC_Group_51_RoHS_L_5.pdf, Datasheet Version="Rev. 5, 10/2016", Depth=1.25mm, Height=0.024inch, Lead Free=LeadFree, Length=0.079inch, Manufacturer URL=http://www.yageo.com/, Military Standard=Not, Number of Pins=2, Number of Terminations=2, Package Reference=0805, Packaging=TapeandReel, Power Rating=125mW, REACH SVHC=Unknown, RoHSCompliant=true, Termination=SMD/SMT, Voltage Rating (DC)=150V, Width=0.049inch
R6 R7: library part CMP-1013-00346-1, "36R 0.125W 1% 0805 (2012 Metric)  SMD", Case-EIA=0805, Case-Metric=2012, Power="0.125 W", Tolerance="1 %", Technology=SMT
R8 R9 R10: library part CMP-2001-00454-1, Manufacturer=Panasonic, Parameter 1=91R, Part Number=ERJ-6GEYJ910V
R11 R12: library part CMP-1013-00316-2, Manufacturer=Panasonic, Parameter 1=20R, Part Number=ERJ-6ENF20R0V
SW1: library part CMP-2000-05160-2, "SWITCH TACTILE SPST-NO 0.05A 12V", Case/Package=SMD/SMT, Color=Black, Contact Resistance=100mR, Current Rating=50mA, Max Operating Temperature=60°C, Max Voltage Rating (DC)=12V, Min Operating Temperature=-20°C, Operating Force=160gf, Package Quantity=1, Actuator Length=0.85mm, Actuator Material=Nylon, Actuator Type=Standard, Contact Material=Silver, Contact Plating=Silver, Depth=9mm, Illumination Type=Non-Illuminated, Lead Free="Lead Free", Length=6mm, Max Current Rating=50mA, Mechanical Life=100000Cycles, Mount="Surface Mount", Orientation=Straight, Packaging="Tape and Reel", REACH SVHC="No SVHC", Switch Function=Off-Mom, Termination="Gull Wing", Throw Configuration=SPST, Voltage Rating (DC)=12V
U1: library part CMP-0339-00026-2, "Dual In / Single Out Autoswitching Power MUX, Manual / Auto Switching, Adj. Cur Limit, Switch Status, 2.8 to 5.5 V, -40 to 85 degC, 8-pin TSSOP (PW), Green (RoHS & no Sb/Br)", IN1 Output Current(Max)(A)=1.25, IN1, IN2 Input Voltage(Max)(V)=5.5, IN1, IN2 Input Voltage(Min)(V)=2.8, Manufacturer="Texas Instruments", Code_JEDEC=MO-153, ComponentLink1Description=Datasheet, ComponentLink1URL=http://www.ti.com/general/docs/lit/getliterature.tsp?genericPartNumber=TPS2115&fileType=pdf, DatasheetVersion=SLVS447A, Eco-Plan="Green (RoHS & no Sb/Br)", IN1 rDS(on)(Typ)(mOhm)=84, IN2 Output Current(Max)(A)=1.25, IN2 rDS(on)(Typ)(Ohms)=0.084, Mounting Technology="Surface Mount", Number of Inputs=2, PackageDescription="8-Pin Plastic Thin Small Outline Package 3 x 4.4 mm Body ,0.65 mm Pitch", PackageReference=PW0008A, PackageVersion="revG, Feb-2011", PartNumber=TPS2115PW, SubFamily="Power Multiplexer (MUX)"
U2: library part CMP-0395-00992-2, "Single Output Fast Transient Response LDO, 1 A, Fixed 3.3 V Output, 2.1 to 15 V Input, 5-pin DDPAK (KTT), -55 to 125 degC, Green (RoHS & no Sb/Br)", Manufacturer="Texas Instruments", Accuracy(%)=2, Code_JEDEC=TO-263, ComponentLink1Description="Manufacturer URL", ComponentLink1URL=http://www.ti.com/, ComponentLink2Description=Datasheet, ComponentLink2URL=http://www.ti.com/general/docs/lit/getliterature.tsp?genericPartNumber=REG104-33&fileType=pdf, ComponentLink3Description="Package Specification", ComponentLink3URL=http://www.ti.com/litv/pdf/mpsf007e, DatasheetVersion=SBVS025G, Eco-Plan="Green (RoHS & no Sb/Br)", Fixed Output Options(V)=3.3, Iout(Max)(A)=1, Iq(Typ)(mA)=0.6, Mounting Technology="Surface Mount", PackageDescription="3-Pin Plastic Flange Mount, Body 10.16 x 10.34 mm, Pitch 1.7 mm", PackageReference=KTT0005A, PackageVersion=4200577-3/F, PartNumber=REG104FA-3.3/500, SubFamily="Single Channel LDO", Vdo(Typ)(mV)=230, Vin(Max)(V)=15, Vin(Min)(V)=2.1, Vout Adj(Max)(V)=3.3, Vout Adj(Min)(V)=3.3
U3: "MIPS32® microAptiv™ PIC® 32MM Microcontroller IC 32-Bit Single-Core 25MHz 16KB (16K x 8) FLASH 20-SSOP"
Y1: library part CMP-27762-012387-2, "CRYSTAL 32.7680KHZ 12.5PF SMD", Case/Package=CSMD, ESR (Equivalent Series Resistance)=90kR, Frequency=32.768kHz, Frequency Tolerance=10ppm, Load Capacitance=12.5pF, Max Operating Temperature=85°C, Min Operating Temperature=-40°C, Operating Frequency="32.768 kHz", Package Quantity=3000, Depth=1.2mm, Height=0.6mm, Lead Free="Lead Free", Length=2mm, Mount="Surface Mount", Number of Pins=2, Packaging="Tape and Reel", Radiation Hardening=No, REACH SVHC="No SVHC", RoHS Compliant=Yes, Series=ABS06, Series Resistance=90kR, Termination=SMD/SMT, Tolerance=10ppm, Width=1.2mm

## Via types
v1: diameter 20, hole 10, Top Layer to Bottom Layer, 51 vias
v2: diameter 40, hole 20, Top Layer to Bottom Layer, 1 vias
v3: diameter 30, hole 15, Top Layer to Bottom Layer, 1 vias

## Nets (pads, with @x,y where several pads share a name; then routed paths per layer and width w, separated by ;. In a path a pad name is that pad's centre, name@x,y a point inside that pad or via, vN(x,y) a via of type N, cw(c..) or ccw(c..) an arc to the next point about the centre after c; other vN are vias at no path point)
3V3: C8.1 C9.1 C10.1 C11.1 R4.1 U1.7 U3.20 | length 928.8
  Top Layer w10: U1.7 6454.41,2086.06 6391.06,2086.06 6360.94,2055.94 C11.1 6360.94,1897.13 6437.57,1820.5 6472.5,1820.5 U3.20 6528,1817 v1(6555,1790) ; C10.1@6550,1880.94 6555,1875.94 v1(6555,1790) ; R4.1 6624.57,1815 6580,1815 v1(6555,1790)
  Bottom Layer w10: C9.1@6393.2,1821.8 6393.2,1817.94 6418.7,1792.44 6422.56,1792.44 6440,1775 6537.29,1775 6552.29,1790 v1(6555,1790) C8.1
"3v3 DEBUG": C1.1 P1.2 U1.6 | length 410.8
  Top Layer w10: U1.6 6586.64,2062.2 v1(6619.28,2029.57) ; v1@6620,2030 6620,2027.48 6702.48,1945 P1.2
  Bottom Layer w10: C1.1 6568.86,2061.42 6598.8,2031.48 6617.36,2031.48 v1(6619.28,2029.57)
"3V3 USB": C2.1 C6.1 U1.8 U2.1 | length 711.9
  Top Layer w15: U2.1 v1@6366.14,2568.86 ; v1@6363.44,2568.86 6367.29,2565 v1(6370,2565) 6405,2530 6405,2323.92 6456.14,2272.78 6456.14,2195 6455.96,2194.81 6455.96,2190.51 6456.14,2190.32 6456.14,2125
  Bottom Layer w10: v1(6370,2565) 6420,2565 C6.1 ; v1(6455,2195) 6502.17,2195 C2.1
"5V USB": C3.1 C4.1 D1.1 D2.1 F1.2 Q1.3 Q2.3 Q3.3 U2.4 U2.5 | length 1235.8
  Top Layer w20: v1(6375,2370) 6373.07,2368.07 U2.4 U2.5 6388.86,2301.14 v1(6390,2300)
  Bottom Layer w10: Q3.3 6050,1860 v1(6095,1905) ; Q2.3 6055,2025 v1(6090,1990) ; Q1.3 5995.95,2160.16 6060.16,2160.16 v1(6090,2190) ; C4.1 6528.04,2296.96 C3.1@6530,2295
  Bottom Layer w18: v1(6390,2300) 6446.96,2300 C4.1
  Bottom Layer w20: v2(6180,1120) D2.1 6186.1,1225.63 6228.35,1183.39 D1.1 6326.34,1182.05 F1.2
\M\C\L\R\: P1.1 R5.2 U3.1 | length 1385.5
  Top Layer w10: v1(6117.5,1822) 6120.21,1822 6125.21,1817 U3.1 ; v1(6280,1595) 6385,1490 R5.2 ; v1(6695,2045) P1.1
  Bottom Layer w10: v1(6117.5,1822) 6117.5,1757.5 v1(6280,1595) ; v1@6120,1820 6215,1915 6565,1915 v1(6695,2045)
\R\E\S\E\T: C7.1 R4.2 R5.1 SW1.1 SW1.2 | length 850.5
  Top Layer w10: SW1.1 SW1.2 6498.74,1376.34 R5.1 6540,1490 6565,1515 6565,1555 6565,1570.86 6615,1620.86 6615,1739.57 R4.2@6620,1744.57
  Bottom Layer w10: v1(6565.98,1555) C7.1
GND: C1.2 C2.2 C3.2 C4.2 C5.2 C6.2 C7.2 C8.2 C9.2 C10.2 C11.2 C12.1 C13.2 C14.2 C15.2 D1.2 D2.2 D3.1 D4.1 D5.1 D6.1 D7.1 D8.1 D9.1 D10.1 D11.1 D12.1 D13.1 D14.1 D15.1 D16.1 D17.1 J1.1 J1.2 J1.3 J1.4 J1.A12 J1.B12 P1.3 R1.1 R2.1 R3.1 SW1.3 SW1.4 U1.5 U2.3 U2.6 U3.19 | length 153.5
  Top Layer w20: D15.1 5361.23,1829.03 v1(5395,1840)
  Bottom Layer w20: C12.1 6263.7,1765.36 6282.94,1765.36 6283.29,1765 6352.84,1765 C13.2
  other v1: 6825,1295 6250,1345 6310,1765 6365,1805 6260,1825 6295,1975 6460,1995 6345,2180 6570,2185 6440,2430 6140,2435
"LED G": Q1.1 U3.2 | length 519.9
  Top Layer w10: v1(6045,2070) 6045,1850 6105,1790 6188,1790 U3.2
  Bottom Layer w10: Q1.1 5974.37,2140.63 v1(6045,2070)
"LED R": Q2.1 U3.3 | length 397.4
  Top Layer w10: v1(6005,1955) 6005,1861.72 6100.72,1766 U3.3
  Bottom Layer w10: Q2.1@5946.38,2005.31 5946.77,2005.31 5995.17,1956.91 6003.09,1956.91 v1(6005,1955)
"LED W": Q3.1 U3.6 | length 308.1
  Top Layer w10: v1(5980,1810) 6025,1765 6045.36,1765 6121.36,1689 U3.6
  Bottom Layer w10: Q3.1 5946.77,1840.31 5959.41,1827.68 5962.32,1827.68 v1(5980,1810)
NetC5_1: C5.1 U2.2 | length 189.6
  Top Layer w10: v1@6140,2495 6266.65,2495 U2.2@6268.58,2496.93
  Bottom Layer w10: C5.1 6080.47,2495.47 v1(6140,2495.47)
NetC14_1: C14.1 U3.9 Y1.2 | length 219.5
  Top Layer w10: v1(6095,1655) Y1.2 6097.59,1614.5 6187.5,1614.5 U3.9
  Bottom Layer w10: C14.1 6011.89,1655 v1(6095,1655)
NetC15_1: C15.1 U3.10 Y1.1 | length 195.7
  Top Layer w10: v1(6095.47,1525) 6095.47,1550.24 Y1.1 6104.76,1569.76 6124.76,1569.76 6142,1587 U3.10
  Bottom Layer w10: C15.1@6095.47,1470.47 v1(6095.47,1525)
NetD3_2: D3.2 D4.2 D5.2 D6.2 D7.2 R6.1 R7.1 | length 2514.3
  Top Layer w10: D7.2 5137.34,1831.1 5140.36,1837.44 cw(c5149.39,1833.13) 5153.7,1842.16 5212.2,1814.07 5224.1,1818.2 5266.55,1832.94 5267.14,1833.53 5284.53,1839.18 5385.12,1874.1 5388.4,1874.66 5406.33,1874.66 5412.33,1868.66 5435.03,1868.66 v1(5436.95,1866.75) 5438.86,1864.83 5454.57,1864.83 5465.97,1856.44 5475.09,1854 D5.2 ; D7.2@5136.88,1822.93 D7.2@5147.67,1821.6 ; D3.2@5151.02,2395.47 5151.11,2410.14 5151.14,2414.25 5155.44,2418.55 5184.45,2430.61 5188.15,2430.61 5189.76,2430.05 5213.69,2421.63 5219.32,2421.63 5253.95,2408.34 5345.6,2376.12 5355.81,2368.24 ccw(c5361.89,2376.17) 5365.06,2366.69 5411.09,2382.03 cw(c5414.25,2372.54) 5423.51,2376.32 5424.76,2373.21 D4.2 5445.46,2366.4 5455.86,2376.8 5459.09,2376.8 v1(5461.01,2378.71) ; D4.2@5426.53,2360.83 5426.69,2360.56 5436.12,2365.05 D4.2@5437.68,2364.5 ; v1(5448.34,2914.91) 5448.34,2912.21 5467.03,2893.51 D6.2@5467.03,2893.32
  Bottom Layer w10: v1(5436.95,1866.75) 5435.64,1868.05 5411.95,1868.05 5390.39,1889.61 5390.39,2305.39 v1@5464.41,2379.41 ; v1@5451.31,2916.59 5451.31,2412.4 5460,2403.71 v1@5460,2380 ; v1@5457.71,2380 v1@5460,2380 ; v1(5461.01,2378.71) 5460,2379.72 v1@5460,2380 ; R7.1 R6.1 5513.07,2321.93 5488.74,2346.26 5488.74,2351.25 5464.41,2375.59 v1@5464.41,2379.41 ; v1@5460,2380 5465,2380 v1@5464.41,2379.41
NetD8_2: D8.2 D9.2 D10.2 D11.2 D12.2 R8.1 R9.1 R10.1 | length 3410.8
  Top Layer w10: v1(4815,1925) 4816.91,1923.09 4816.91,1917.9 D11.2@4841.45,1893.36 ; D11.2@4838.96,1893.1 4840.51,1874.7 4841.11,1867.52 4832.31,1857.1 4885.51,1828.2 4887.74,1826.98 4890.7,1826.98 5014.98,1837.44 5015.4,1837.47 5017.91,1837.47 5134.04,1786.7 5139.16,1784.25 5139.62,1784.25 5212.5,1752.39 5216.12,1752.39 5217.58,1752.85 5431.1,1819.94 ; D10.2 5183.5,2882.5 5200.85,2899.84 v1(5200.85,2901.89) ; v1(5254.76,2370.22) 5270.16,2364.31 D8.2 ; D8.2@5280,2360 5281.52,2349.08 5280.27,2345.82 5280.52,2332.45 5285.08,2327.89 5299.35,2323.28 5354.5,2305.49 ccw(c5357.57,2315) 5361.3,2305.72 5407.54,2323.72 5432.42,2331.6 ccw(c5427.89,2345.9) 5433.5,2331.99 5521.12,2367.39 ccw(c5515.5,2381.3) 5526.1,2370.69 5528.18,2372.76 5549.99,2369.99 ; 5431.13,1819.95 cw(c5434.09,1810.4) 5436.74,1820.04 5612.11,1771.86 5613.41,1771.5 5615.68,1771.5 5798.12,1805.48 5803.24,1810.6 5803.24,1816.2 5802.82,1817.59 5797.64,1835.03 D12.2 ; D9.2@5562.62,2398.77 5554.49,2390.64 5554.49,2374.49 5549.99,2369.99 ; 5658.08,2365.12 5654.96,2364.69 5651.63,2364.23 5644.62,2357.21 5637.35,2357.21 5600.16,2362.44 5598.79,2363.8 5549.99,2369.99 ; 5658.08,2365.13 ccw(c5656.71,2375.03) 5662.71,2367.03 5670.91,2373.18 cw(c5676.91,2365.18) 5685.59,2370.14 ; 5685.61,2370.12 5782.63,2199.17 ccw(c5791.34,2204.08) 5789.69,2194.22 v1(5815,2190)
  Bottom Layer w10: v1(4815,1925) 5240,2350 5240,2365 5234.15,2370.85 ; v1@5195.85,2896.89 5116.24,2817.28 5116.24,2493.76 5222.5,2387.5 ; 5220,2385 5234.15,2370.85 ; v1(5254.76,2370.22) 5254.13,2370.85 5234.15,2370.85 ; v1(5815,2190) 5815,2136.1 R9.1 R8.1 R10.1
NetD13_2: D13.2 D14.2 D15.2 D16.2 D17.2 R11.1 R12.1 | length 2651
  Top Layer w10: v1(4990.65,1867.68) 4992.05,1869.09 5016.35,1869.09 D16.2 ; v1(5255,1795) 5285.49,1804.91 D15.2 ; D14.2 v1(5325.75,2885) ; v1(5315,3265.75) D13.2 ; v1(5615,1815) 5627.39,1810.87 ccw(c5630.58,1820.35) 5632.66,1810.57 5657.62,1815.87 D17.2@5668.38,1816.9
  Bottom Layer w10: v1(4990.65,1867.68) 5182.32,1867.68 v1(5255,1795) ; v1(5315,3265.75) 5315,3196.55 5325,3186.55 5325,2875.75 5324.25,2875 ; 5327.13,2872.13 5326.75,2872.13 5325,2870.38 5325,2860.22 5325.43,2845 5339.99,2340.58 cw(c5320,2340) 5339.76,2336.91 v1(5255,1795) ; R12.1 5816.91,1868.72 R11.1 5669.66,1760.34 v1(5615,1815) v1(5255,1795)
NetQ1_2: Q1.2 R6.2 R7.2 | length 196.2
  Bottom Layer w10: R6.2@5945,2256.54 Q1.2 5968.17,2180 6017.3,2229.13 6017.3,2252.3 R7.2
NetQ2_2: Q2.2 R8.2 R9.2 R10.2 | length 257.4
  Bottom Layer w10: R9.2@5883.9,2150 5882.2,2148.31 5882.2,2046.46 5883.98,2044.68 R8.2@5885,2044.68 ; R10.2 R8.2@5885,2044.68 ; R8.2 R8.2@5885,2044.68 ; Q2.2 R8.2@5885,2044.68
NetQ3_2: Q3.2 R11.2 R12.2 | length 167.1
  Bottom Layer w10: R11.2 5892.06,1761.95 R12.2 5901.41,1879.68 Q3.2
NetR1_2: R1.2 U1.4 | length 199
  Top Layer w10: v1(6125,2080) 6168.39,2036.61 U1.4
  Bottom Layer w10: v1(6125,2080) 6126.91,2081.91 6147.46,2081.91 6185.63,2120.08 R1.2
NetR2_2: R2.2 U1.1 | length 166.5
  Top Layer w10: v1(6223.81,2233.39) 6223.81,2113.39 U1.1
  Bottom Layer w10: v1(6223.81,2233.39) 6267.95,2233.39 R2.2
NetR3_2: R3.2 U1.3 | length 147.6
  Top Layer w10: U1.3 6270.09,2062.2 6272.29,2060 v1(6295,2060)
  Bottom Layer w10: v1(6295,2060) 6368.74,2060 R3.2@6370,2058.74
PGEC: P1.5 U3.5 | length 740.4
  Top Layer w10: U3.5 6192.5,1712.5 6228.71,1712.5 6248.09,1693.13 6248.09,1671.91 v1(6250,1670) ; v1(6695,1610) 6696.91,1611.91 6719.62,1611.91 6752.71,1645 P1.5
  Bottom Layer w10: v1(6250,1670) 6310,1610 v1(6695,1610)
PGED: P1.4 U3.4 | length 672.2
  Top Layer w10: U3.4 6402.29,1740 6405.38,1743.09 6413.09,1743.09 v1(6415,1745) ; v1(6695,1675) 6695,1725 6715,1745 P1.4
  Bottom Layer w10: v1(6415,1745) 6415,1744.53 6432.44,1727.09 6432.44,1682.25 6441.23,1673.46 6693.46,1673.46 v1(6695,1675)
"USB VBUS": F1.1 J1.A9 J1.B9 | length 420.5
  Top Layer w10: J1.B9@6675.28,1230.12 J1.B9
  Top Layer w20: v3(6605,1345) 6607.71,1345 6612.63,1349.92 J1.A9 6715.08,1349.92 6730,1335 6730,1251.17 6709.06,1230.24 J1.B9 ; J1.B9@6670.2,1235.2 J1.B9@6675.28,1230.12
  Bottom Layer w20: F1.1 6500.95,1377 6570.29,1377 6602.29,1345 v3(6605,1345)
VCAP: C12.2 C13.1 U3.14 | length 242.1
  Top Layer w10: v1(6407.44,1685) 6410,1685 6429.5,1665.5 6474.5,1665.5 U3.14
  Bottom Layer w10: C12.2 6321.14,1715 6351.14,1685 v1(6407.44,1685)
pads on no net: J1.A5 J1.B5 U1.2 U3.7 U3.8 U3.11 U3.12 U3.13 U3.15 U3.16 U3.17 U3.18

## Polygon pours and split planes (outlines as drawn)
GND on Bottom Layer "GND_L04_P004" (solid, pour order 4): 4390,3650 4390,1025 6973.47,1025 6971.73,3648.27
GND on Top Layer "GND_L01_P002" (solid, pour order 2): 4390,3650 4390,1040 4375,1025 6973.47,1025 6973.47,3646.53 6970,3650
"5V USB" on Int2 (PWR) (split plane): 6954.9,1045.1 4540.1,1045.1 4540.1,3629.9 6954.9,3629.9
GND on Int1 (GND) (split plane): 6954.9,1045.1 4540.1,1045.1 4540.1,3629.9 6954.9,3629.9

## Silkscreen, mask and mechanical layers (free items; w line width, h text height)
Top Overlay:
  drawing of 20 lines, arcs and shapes, not listed
  text "Merry Christmas!" at 5770,3423.33 h100
  text "Rev A0" at 5775,3290 h60
Board Shape:
  the board outline again, w10